# Altium PCB rt10.PcbDoc (part 2 of 3) (continued)
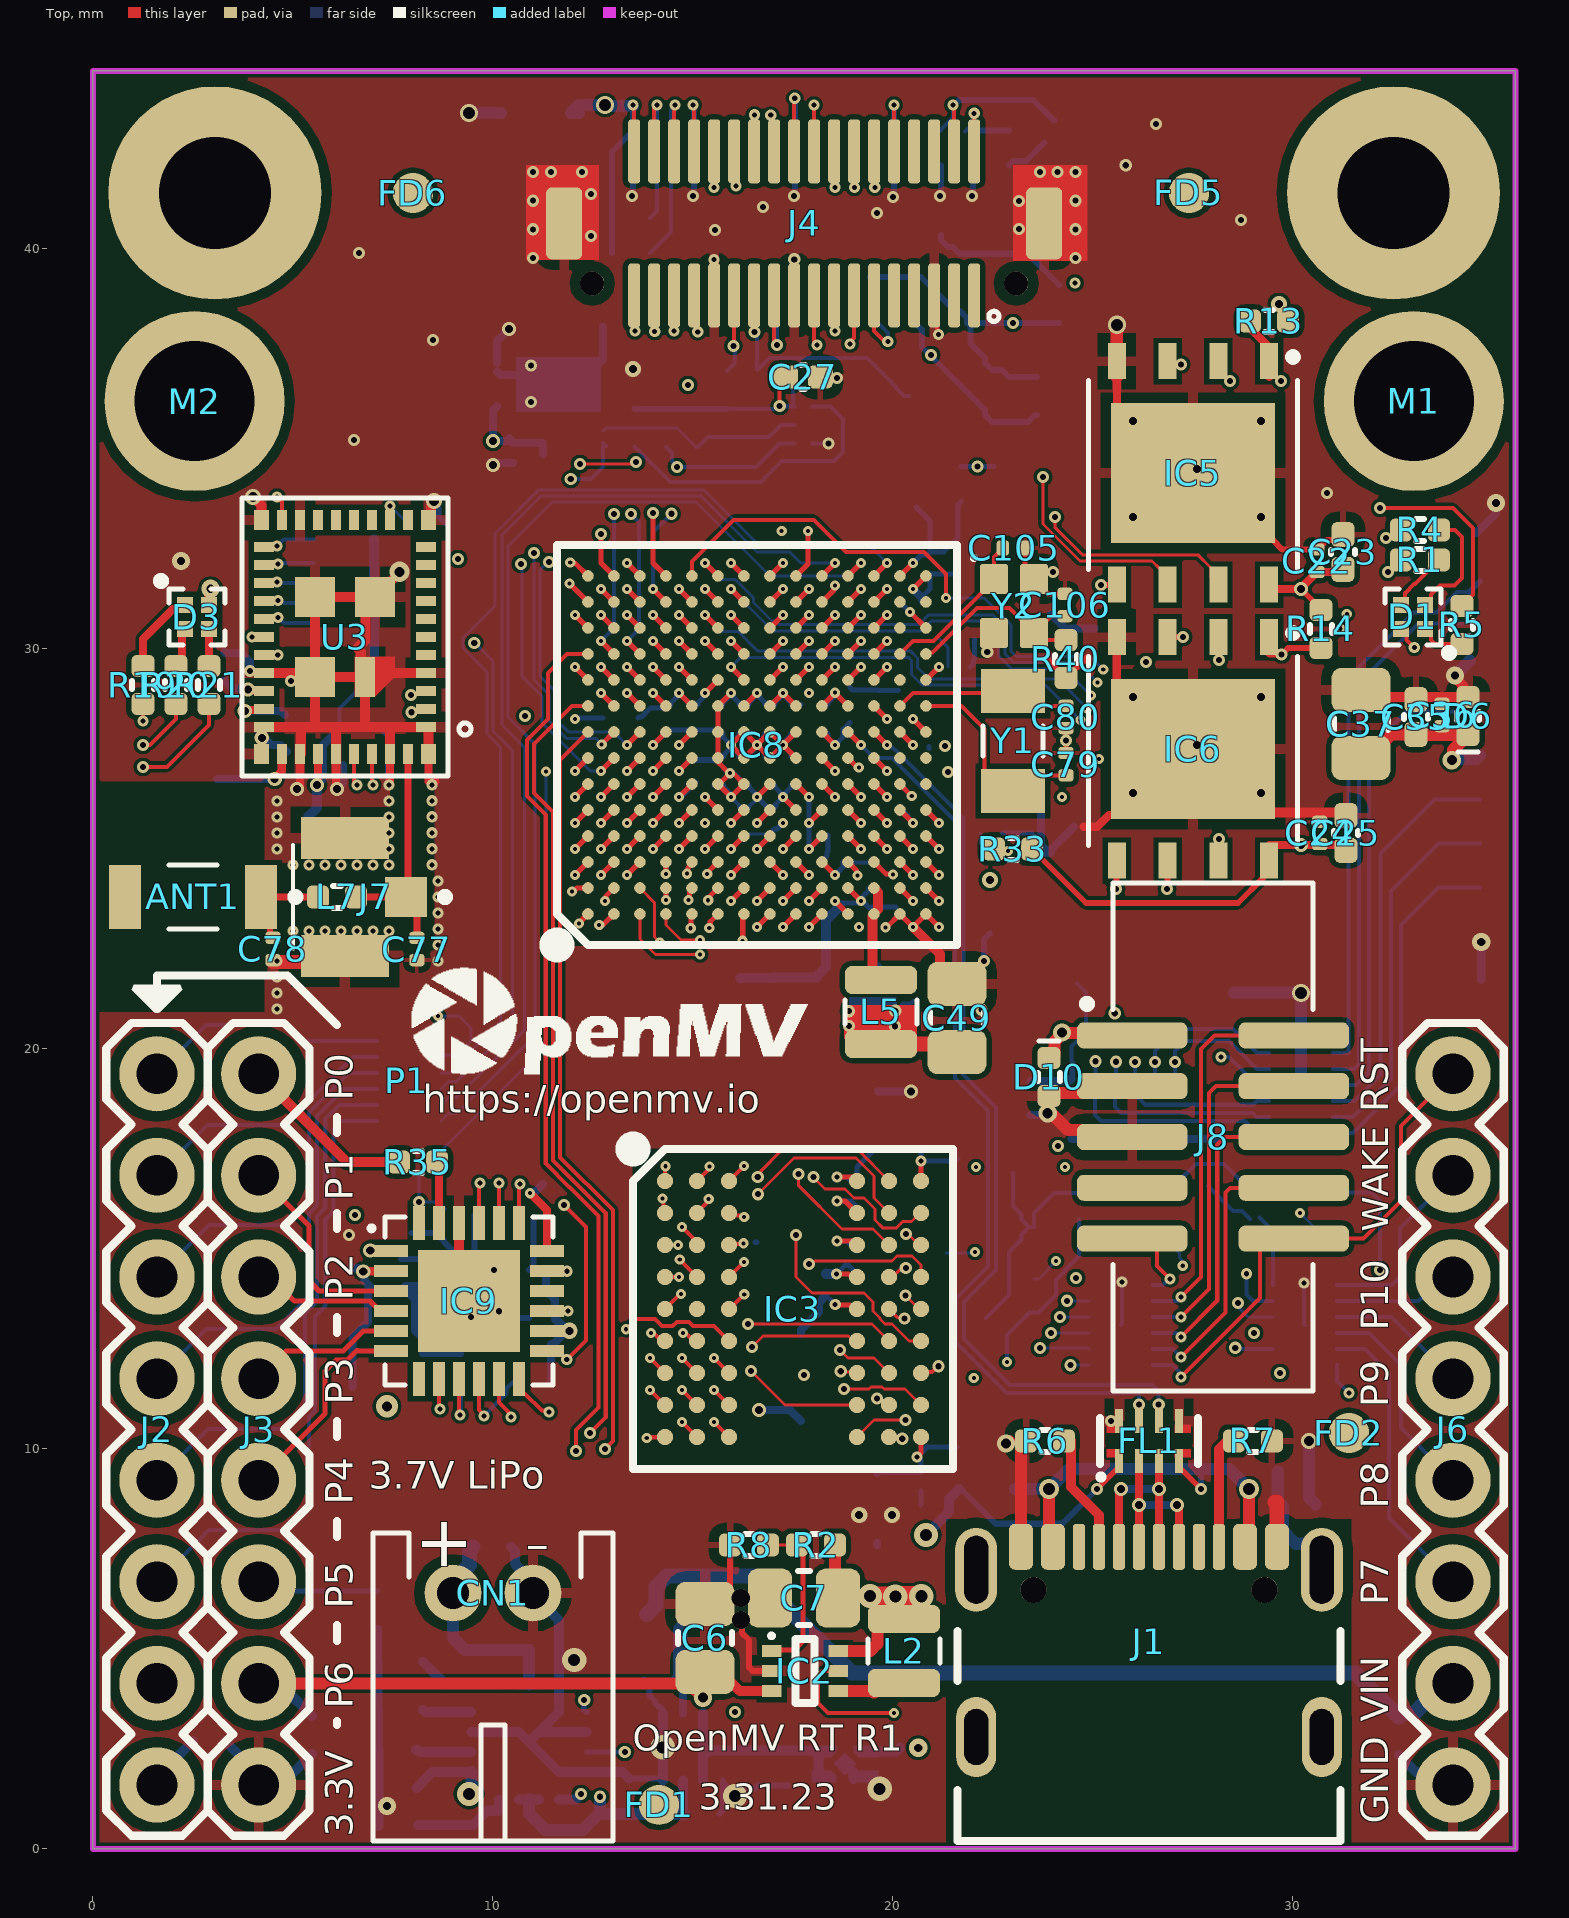
[diagram p0: Top view]
## Nets (pads, with @x,y where several pads share a name; then routed paths per layer and width w, separated by ;. In a path a pad name is that pad's centre, name@x,y a point inside that pad or via, vN(x,y) a via of type N, cw(c..) or ccw(c..) an arc to the next point about the centre after c; other vN are vias at no path point) (continued)
  Bottom w0.152: C84.2@7.704,14.75 C96.2@9.2,14.75 ; C83.1@7.96,15.4 8.584,15.4 8.773,15.21 8.773,15.176 9.165,14.784 9.2,14.784 C96.2@9.2,14.475 ; C85.2@8.225,12.825 8.225,12.375 R38.2@9.2,12.375 ; v10(8.525,33.7) 8.525,33.631 8.641,33.516 8.641,33.309 R37.2@8.8,33.15 ; C96.2@9.539,14.963 9.539,15.854 C65.1@9.685,16 ; C90.1@10.376,12.734 10.376,13.275 C89.2@10.896,13.275 ; C10.1@13.4,1.76 14.202,1.76 IC1.4@14.25,1.712 ; v2(13.475,41.325) 13.5,41.35 C44.1@13.5,42.09 ; C5.1@13.74,4.2 C5.1@13.775,4.235 ; C5.1@13.87,4.153 13.913,4.111 13.913,3.837 14.05,3.7 14.05,3.639 14.139,3.549 14.176,3.549 14.25,3.475 IC1.5@14.25,3.388 ; v2(15,41.325) 15.025,41.35 C42.1@15.025,42.09 ; C53.2@15.075,27.229 C97.1@15.65,27.229 ; C3.1@15.66,0.875 15.75,0.965 IC1.1@15.75,1.664 ; IC1.1@15.75,1.712 IC1.1@15.75,1.664 ; C4.1@17.375,1.59 C1.1@16.625,1.59 16.554,1.519 15.895,1.519 IC1.1@15.75,1.664 ; v2@17.502,39.712 v2(17.531,39.742) ; v2(17.525,41.325) 17.55,41.35 C40.1@17.55,42.09 ; v2(20,41.3) 20.025,41.325 C39.1@20.025,42.065 ; v2(21.175,41.325) 21.2,41.35 C52.1@21.2,42.09 ; v2(21.975,41.325) 22,41.35 C33.1@22,42.09 ; v2(22.275,22.2) 22.275,22.74 C95.1@22.425,22.89
  Bottom w0.203: C92.1@3.292,29.918 3.308,29.902 3.58,29.902 3.582,29.9 3.7,29.9 3.918,29.682 3.918,29.45 v2(3.922,29.446) ; C74.2@4.15,27.921 4.192,27.878 4.192,27.809 v4(4.221,27.779) ; C74.2@4.239,27.832 4.47,27.601 4.689,27.601 C91.1@4.85,27.44 ; v4(6.1,26.5) 6.25,26.65 C76.2@6.25,27.1 ; R9.2@7.11,4.66 R9.2@7.125,4.675 D8.2@7.125,5.5 ; C93.1@7.25,28 7.4,27.85 v3(7.4,26.6) ; v4(10,34.6) 10.05,34.65 C20.2@10.5,34.65 ; C21.1@10.1,36.935 10.185,36.85 11.85,36.85 IC4.9@12,36.7 ; C21.1@10.1,37.15 10.1,37.7 v4(10.4,38) ; IC4.9@12,36.6 IC4.9@12,36.7 ; IC4.4@12.75,38.05 12.75,37.25 12.2,36.7 IC4.9@12,36.7 ; v4(16.65,10.975) 17.425,10.975 C14.2@17.7,10.7 ; C29.2@19.6,7.6 C29.2@19.6,7.65 ; C18.1@19.625,18.95 19.637,18.938 v4(20.449,18.938) ; v1(20.5,31.5) 20.729,31.272 20.729,31.226 C50.2@20.779,31.175 ; D9.2@23.425,18.35 23.43,18.345 23.817,18.345 v8(23.866,18.394) ; 23.7,26.4 23.7,25.157 23.7,24.907 J5.SH@23.95,24.907 23.95,24.981 J5.SH@24.523,25.554 ; J5.SH@23.95,30.877 24.316,30.511 25.028,30.511 25.031,30.509 ; J5.SH@34.575,32.902 34.592,32.902 35.075,33.385 v6(35.075,33.65) ; J5.SH@34.7,21.732 34.706,21.738 v6(34.706,22.676)
  Bottom w0.254: D4.2@3.3,2.7 4.14,1.86 J3.1@4.14,1.6 ; J3.1@4.58,1.6 J3.1@4.14,1.6 ; D5.2@5.475,2.375 5.467,2.375 5.312,2.22 5.312,2.212 5.011,1.911 4.451,1.911 J3.1@4.14,1.6 ; R12.2@7.11,3.49 R9.2@7.11,4.66 ; R11.2@7.129,2.479 R12.2@7.129,3.471 ; R10.2@7.142,0.575 R11.2@7.142,2.458 ; C85.2@8.225,12.825 8.081,12.969 8.081,13.738 7.983,13.836 7.983,13.889 7.822,14.05 C81.1@7.81,14.05 8.955,14.05 C96.2@8.962,14.058 ; U2.15@9.465,2.925 10.65,2.925 U2.17@10.9,2.675 ; D2.2@10.45,7.55 10.547,7.453 10.547,7.133 11,6.68 CN1.2@11,6.4 11,6.366 11.65,5.716 U2.4@11.65,4.11 11.65,3.425 U2.17@11.15,2.925 ; U2.6@12.335,2.925 U2.17@11.15,2.925 ; C10.1@13.4,1.76 13.4,1.764 13.239,1.925 U2.8@12.335,1.925 11.65,1.925 U2.17@10.9,2.675 ; IC1.4@14.25,1.712 IC1.5@14.25,3.388 ; C11.1@18.325,14.379 v3(18.589,14.378) ; U1.EP@18.8,2.125 19.016,1.909 19.016,1.749 ; D7.2@32.65,2.35 32.658,2.35 32.813,2.195 32.813,2.187 33.089,1.911 33.689,1.911 J6.1@34,1.6 ; U2.17@10.9,2.675 U2.17@11.15,2.925 ; U2.17@10.9,2.675 U2.17@11.15,2.925
  Bottom w0.305: v9(9.4,43.4) C32.2@10.2,43.4 ; J5.CD$2@28.525,21.407 J5.CD$2@28.625,21.407 30.2,21.407 v9(30.2,21.4) FL3.13@30.2,18.9 ; v10(30.4,10.2) 30.4,8.781 C110.2@30.564,8.617 ; v6(34.049,29.336) J5.P$6@34.417,29.704
  other v1: 19.15,23.05 15.3,25.65 17.9,28.9
  other v2: 17.775,11.85 9.45,13.3 10.154,13.442 10.025,14.475 6.4,15.35 22.215,20.983 21.3,27.575 4.95,29.2 22.357,29.927 23.997,31.926 30.85,33.9 6.525,35.225 10.95,36.175 10.947,37.084 8.5,37.725 11,39.775 24.56,39.775 6.65,39.9 12.45,40.325 11,40.492 15.55,40.475 23.15,40.5 24.56,40.492 28.7,40.725 19.6,40.9 16.75,41.05 11,41.208 23.15,41.2 24.56,41.208 12.45,41.375 11,41.925 11.45,41.925 12.225,41.925 23.675,41.925 24.11,41.925 24.56,41.925 25.818,42.093 26.575,43.125
  other v3: 4.6,21 4.6,21.4 4.6,21.8 4.6,22.2 8.625,22.2 8.625,22.6 5,22.95 5.4,22.95 5.8,22.95 6.2,22.95 6.6,22.95 7,22.95 7.4,22.95 8.625,23 8.625,23.4 8.625,23.8 8.625,24.2 5,24.6 5.4,24.6 5.8,24.6 6.2,24.6 6.6,24.6 7,24.6 7.4,24.6 8.475,24.604 4.6,25 7.4,25 8.475,25.004 4.6,25.4 7.4,25.4 8.475,25.404 4.6,25.8 7.4,25.8 8.475,25.804 4.6,26.2 7.4,26.2 8.475,26.204
  other v4: 29.2,26.4 27.6,27.6 26,28.8 29.2,28.8 26,33.3 29.2,33.3 27.6,34.5 26,35.7 29.2,35.7
  other v5: 16.05,1.325 19.666,1.502 14.239,2.539 12.028,4.724
  other v6: 7.35,1.075 2.2,32.2
  other v7: 19.155,8.35 19.975,8.35 13.5,37
  other v11: 16.196,6.272
ILIM: R10.1 U2.12 | length 2.5
  Bottom w0.254: R10.1@8.125,0.6 9.51,0.6 9.864,0.954 10.147,0.954 10.15,0.957 U2.12@10.15,1.24
INT_I2C_INT: IC7.4 IC8.D11 R17.1 | length 9
  Top w0.127: v1(14,30.2) IC8.D11@14.325,29.875
  L4 w0.076: v1(14,30.2) 14.35,30.55 14.35,32.525 14.775,32.95 14.775,34.375 v2(14.6,34.55)
  Bottom w0.102: R17.1@14.325,35.05 14.471,34.904 14.471,34.701 14.622,34.55 16.575,34.55 17.165,35.14 IC7.4@17.535,35.14
INT_I2C_SCL: IC4.6 IC7.1 IC8.C8 R15.1 | length 18.6
  Top w0.076: v2(12.175,34.625) 13.463,34.625 13.513,34.675 v2(13.575,34.675)
  Top w0.127: v1(13.35,27.6) IC8.C8@13.675,27.925
  L4 w0.076: v2(11.4,32.175) 11.4,34.156 11.869,34.625 v2(12.175,34.625)
  Bottom w0.076: v2@11.35,32.15 11.177,31.977 11.177,29.316 11.552,28.942 11.552,28.264 11.896,27.919 13.031,27.919 v1(13.35,27.6)
  Bottom w0.102: R15.1@13.54,35.065 14.432,34.173 16.698,34.173 17.225,34.7 18.525,34.7 18.75,34.925 18.75,35.75 18.44,36.06 IC7.1@17.975,36.06
INT_I2C_SDA: IC4.5 IC7.5 IC8.B8 R16.1 | length 17.7
  Top w0.127: v1(12.718,27.609) 12.718,27.618 IC8.B8@13.025,27.925
  L4 w0.076: v2(11.025,32.4) 11.025,34.05 11.9,34.925 12.275,34.925 12.442,34.758 12.442,34.392 12.371,34.321 12.357,34.321 12.248,34.211 11.98,34.211 v2(11.945,34.246)
  Bottom w0.076: v2(11.025,32.4) 11.025,29.23 11.399,28.856 11.399,28.201 11.833,27.767 12.577,27.767 12.718,27.626 v1(12.718,27.609) ; IC4.5@12.756,35.455 12.825,35.525 14.6,35.525 R16.1@15.075,35.05
  Bottom w0.102: v2(11.945,34.246) 12.447,34.246 12.75,34.55 IC4.5@12.75,35.15 IC4.5@12.826,35.074 ; R16.1@15.075,35.05 15.124,35.05 15.374,35.3 16.9,35.3 17.2,35.6 IC7.5@17.535,35.6
ISET: R12.1 U2.16 | length 1.2
  Bottom w0.254: R12.1@8.25,3.475 8.3,3.425 U2.16@9.465,3.425
JTAG_TCK: FL5.4 IC8.F12 | length 28.4
  Top w0.127: v1(15.3,30.85) IC8.F12@15.625,30.525
  L4 w0.076: v2(24.175,13.3) 23.247,14.228 23.247,20.874 23.797,21.424 23.797,28.024 24.288,28.514 v1(24.856,28.514)
  Bottom w0.076: v1(15.3,30.85) 15.709,30.441 16.125,30.441 16.622,29.944 20.446,29.944 20.615,29.776 20.615,29.537 20.9,29.252 24.118,29.252 v1(24.856,28.514) ; v2(24.175,13.3) FL5.4@24.9,13.3
JTAG_TCK_INT: FL5.9 J8.4 | length 8.8
  Top w0.102: v3(27.2,13.3) 27.903,14.003 27.903,18 27.903,18.903 28.07,19.07 J8.4@30.02,19.07
  Bottom w0.102: FL5.9@26.5,13.3 v3(27.2,13.3)
JTAG_TDI: FL5.2 IC8.F14 | length 31.7
  Top w0.127: v1(15.3,32.15) IC8.F14@15.625,31.825
  L4 w0.076: v2(23.675,12.525) 22.892,13.308 22.892,21.021 23.442,21.571 23.442,28.171 24.434,29.163 v1(25.116,29.163)
  Bottom w0.076: v1(15.3,32.15) 15.709,31.741 16.05,31.741 16.512,31.279 16.512,31.163 16.975,30.7 17.059,30.7 17.15,30.609 20.65,30.609 20.895,30.853 22.487,30.853 22.8,30.54 22.8,29.881 23.024,29.657 24.621,29.657 v1(25.116,29.163) ; v2(23.675,12.525) 24.875,12.525 FL5.2@24.9,12.5
JTAG_TDI_INT: FL5.11 J8.8 | length 7.1
  Top w0.102: v3(27.2,12.3) 28.31,13.41 28.31,16.41 28.43,16.53 J8.8@30.02,16.53
  Bottom w0.102: FL5.11@26.5,12.5 27,12.5 v3(27.2,12.3)
JTAG_TDO: FL5.3 IC8.G13 | length 29.5
  Top w0.127: v1(15.95,31.5) IC8.G13@16.275,31.175
  L4 w0.076: v2(23.95,12.9) 23.069,13.781 23.069,20.947 23.619,21.497 23.619,28.097 24.357,28.835 v1(24.951,28.835)
  Bottom w0.076: v1(15.95,31.5) 17.001,30.449 20.705,30.449 20.958,30.701 22.424,30.701 22.641,30.484 22.641,29.824 22.961,29.505 24.281,29.505 v1(24.951,28.835) ; v2(23.95,12.9) FL5.3@24.9,12.9
JTAG_TDO_INT: FL5.10 J8.6 | length 7.9
  Top w0.102: v3(27.2,12.8) 28.106,13.706 28.106,17.607 28.3,17.8 J8.6@30.02,17.8
  Bottom w0.102: FL5.10@26.5,12.9 27.1,12.9 v3(27.2,12.8)
JTAG_TMS: FL5.5 IC8.E14 | length 35
  Top w0.102: IC8.E14@14.975,31.825 14.975,32.184 16.016,33.225 18.025,33.225 18.825,32.425 20.775,32.425 21.325,31.875 v1(21.325,31.275)
  L4 w0.076: v2(24.35,13.704) 24.361,13.693 24.361,13.491 24.442,13.41 24.442,12.915 23.785,12.258 23.492,12.258 22.714,13.036 22.714,21.095 23.264,21.645 23.264,28.245 24.504,29.485 v1(25.257,29.485)
  Bottom w0.076: v1(21.325,31.275) 22.281,31.275 22.953,30.604 22.953,29.944 23.087,29.81 24.933,29.81 v1(25.257,29.485) ; v2(24.35,13.704) 24.352,13.702 24.898,13.702 FL5.5@24.9,13.7
JTAG_TMS_INT: FL5.8 J8.2 | length 9.6
  Top w0.102: v3(27.2,13.8) 27.7,14.3 27.7,17.2 27.7,20 28.04,20.34 J8.2@30.02,20.34
  Bottom w0.102: FL5.8@26.5,13.7 27.1,13.7 v3(27.2,13.8)
JTAG_TRSTB: FL5.6 IC8.G10 | length 25.8
  Top w0.127: v1(15.95,29.55) IC8.G10@16.275,29.225
  L4 w0.076: v2(24.575,14.275) 23.8,14.275 23.425,14.65 23.425,20.8 23.975,21.35 23.975,27.95 24.248,28.223 v1(24.689,28.223)
  Bottom w0.076: v1(15.95,29.55) 16.192,29.792 20.383,29.792 20.463,29.712 20.463,29.362 20.725,29.1 23.805,29.1 24.682,28.223 v1(24.689,28.223)
JTAG_TRSTB_INT: FL5.7 J8.9 | length 2.1
  Top w0.102: J8.9@25.98,15.26 26.326,15.26 26.6,14.986 26.6,14.58 v3(26.926,14.253)
  Bottom w0.102: FL5.7@26.5,14.1 26.75,14.1 26.904,14.253 v3(26.926,14.253)
LED_B: IC8.C14 R19.1 | length 19.8
  Top w0.102: v3(1.25,28.2) R19.1@1.25,28.4
  Top w0.127: v1(13.35,32.15) IC8.C14@13.675,31.825
  L6 w0.076: v3(1.25,28.2) 1.211,28.239 1.211,28.335 1.2,28.346 1.2,32.85 1.787,33.437 4.837,33.437 5.305,33.905 7.52,33.905 8.688,32.737 8.688,32.112 9.044,31.756 9.881,31.756 10.825,32.7 11.8,32.7 12.35,32.15 v1(13.35,32.15)
LED_B_INT: D3.1 R19.2 | length 2.1
  Top w0.203: R19.2@1.25,29.575 1.25,30.25 2.002,31.002 2.202,31.002 D3.1@2.3,31.1
LED_CHG: D1.3 R1.2 | length 1.5
  Top w0.102: D1.3@32.7,31.1 32.797,31.197 32.797,31.393 33.024,31.62 33.045,31.62 R1.2@33.65,32.225
LED_G: IC8.A10 R20.1 | length 15.4
  Top w0.102: v2(1.25,27.6) 1.425,27.6 2.075,28.25 R20.1@2.075,28.625
  Top w0.127: v1(12.05,29.55) IC8.A10@12.375,29.225
  L6 w0.076: v2(1.25,27.6) 1.9,28.25 1.9,29.875 2.725,30.7 3.95,30.7 4.314,30.336 6.614,30.336 7.4,29.55 v1(12.05,29.55)
LED_G_INT: D3.2 R20.2 | length 1
  Top w0.203: R20.2@2.227,29.577 2.227,30.428 D3.2@2.3,30.5
LED_PGOOD: D1.2 R4.2 | length 2.9
  Top w0.102: D1.2@33.3,31.1 33.449,31.249 33.449,31.358 33.681,31.59 34.04,31.59 34.225,31.775 34.225,32.8 34.05,32.975 R4.2@33.65,32.975
LED_R: IC8.D9 R21.1 | length 16.6
  Top w0.102: v2(1.25,27.05) 1.85,27.05 2.9,28.1 R21.1@2.9,28.625
  Top w0.127: v1(14,28.9) IC8.D9@14.325,28.575
  L6 w0.076: v2(1.25,27.05) 4.175,27.05 4.745,27.62 11.036,27.62 11.419,28.002 13.103,28.002 v1(14,28.9)
LED_R_INT: D3.3 R21.2 | length 0.9
  Top w0.203: R21.2@2.9,29.575 D3.3@2.9,30.5
LED_ST: D1.1 R5.2 | length 1.2
  Top w0.102: D1.1@33.3,30.5 33.449,30.351 33.449,30.222 33.547,30.125 R5.2@34.225,30.125
MDI_LED: J3.8 R35.2 | length 4.4
  Top w0.254: J3.8@4.14,19.38 6.345,17.175 R35.2@7.65,17.175
MDI_RX_N: IC9.3 J3.7 | length 5.3
  Top w0.127: J3.7@4.14,16.84 5.4,15.58 5.4,14.2 5.65,13.95 IC9.3@7.45,13.95
MDI_RX_P: IC9.4 J3.6 | length 3.7
  Top w0.127: J3.6@4.14,14.3 4.433,14.3 5.033,13.7 6.925,13.7 7.175,13.45 IC9.4@7.45,13.45
MDI_TX_N: IC9.5 J3.5 | length 3.8
  Top w0.127: J3.5@4.14,11.76 4.831,12.451 6.259,12.451 6.758,12.95 IC9.5@7.45,12.95
MDI_TX_P: IC9.6 J3.4 | length 5.3
  Top w0.127: J3.4@4.14,9.22 5.804,10.884 5.804,11.948 6.079,12.222 6.353,12.222 6.596,12.465 6.626,12.465 6.64,12.45 IC9.6@7.45,12.45
NetD7_1: D7.1 J6.2 Q6.D | length 22.6
  Bottom w0.381: Q6.D@13.841,5.862 14.075,6.097 14.075,6.55 14.347,6.822 16.553,6.822 18.975,4.4 31.55,4.4 32.55,3.399 32.55,3.384 32.635,3.3 D7.1@32.65,3.3 32.734,3.384 33.027,3.384 33.783,4.14 J6.2@34,4.14
NVCC_PLL: C104.2 C107.1 IC8.P10 | length 1.2
  Top w0.127: IC8.P10@20.825,29.225 v1(21.15,29.55)
  Bottom w0.076: C104.2@21.165,30.25 21.371,30.044 C107.1@21.371,29.55
ONOFF: IC8.M6 Q3.2 | length 18.5
  Top w0.127: IC8.M6@19.525,26.625 v1(19.85,26.3)
  L4 w0.076: v1(24.075,14.7) 23.6,15.175 23.6,17.55 24.325,18.275 24.325,18.7 23.6,19.425 23.6,20.65 24.224,21.274 v1(24.224,26.3)
  L6 w0.076: v1(19.85,26.3) 20.107,26.3 20.382,26.575 20.649,26.575 20.924,26.3 v1(24.224,26.3)
  Bottom w0.076: Q3.2@23.525,14.25 23.65,14.25 23.862,14.462 23.862,14.487 v1(24.075,14.7)
P0_MOSI: FL2.1 IC8.H10 | length 15.6
  Top w0.127: IC8.H10@16.925,29.225 v1(17.25,29.55)
  L6 w0.076: v1@8.524,20.357 10.77,22.602 10.77,26.995 11.625,27.85 13.291,27.85 14.4,28.959 14.4,29.05 14.6,29.25 16.25,29.25 16.55,29.55 v1(17.25,29.55)
  other v1: 8.524,20.37
P0_MOSI_INT: FL2.12 J2.8 | length 6.2
  Bottom w0.102: J2.8@1.6,19.38 2.82,20.6 4.8,20.6 5.2,20.2 FL2.12@7.1,20.2
P1_MISO: FL2.2 IC8.M11 | length 23.3
  Top w0.127: IC8.M11@19.525,29.875 v1(19.85,30.2)
  L6 w0.076: v1(8.625,20.825) 8.606,20.806 8.456,20.806 8.125,20.475 8.125,20.175 8.229,20.071 8.621,20.071 11.002,22.452 11.002,27.012 11.349,27.359 13.709,27.359 13.759,27.409 13.759,27.709 13.95,27.9 15.425,27.9 16.25,28.725 16.25,28.95 16.525,29.225 18.65,29.225 18.825,29.4 18.825,30.275 19.025,30.475 19.575,30.475 v1(19.85,30.2)
  Bottom w0.076: v1@8.65,20.825 9.15,20.825 9.45,20.525 9.45,20.2 9.105,19.855 8.755,19.855 FL2.2@8.7,19.8
P1_MISO_INT: FL2.11 J2.7 | length 6.7
  Bottom w0.102: J2.7@1.6,16.84 2.86,18.1 4.8,18.1 6.5,19.8 FL2.11@7.1,19.8
P2_SCLK: FL2.3 IC8.M14 | length 26.4
  Top w0.127: IC8.M14@19.525,31.825 v1(19.85,32.15)
  Bottom w0.076: FL2.3@8.7,19.4 8.95,19.4 9.012,19.462 9.012,19.5 10.19,20.678 10.19,27.545 9.846,27.889 9.846,29.429 9.251,30.024 9.251,30.276 10.05,31.075 10.05,32.889 11.14,33.98 15.261,33.98 16.663,32.577 19.422,32.577 v1(19.85,32.15)
P2_SCLK_INT: FL2.10 J2.6 | length 8.9
  Bottom w0.102: J2.6@1.6,14.3 2.85,15.55 2.9,15.6 4.8,15.6 5.4,16.2 5.4,18.413 6.387,19.4 FL2.10@7.1,19.4
P3_NSS: FL2.4 IC8.G11 | length 19.5
  Top w0.127: v1(15.95,30.2) IC8.G11@16.275,29.875
  L6 w0.076: v2(9.532,30.152) 9.739,29.945 15.445,29.945 15.7,30.2 v1(15.95,30.2)
  Bottom w0.076: FL2.4@8.7,19 8.886,19.186 9.097,19.186 10.483,20.571 10.483,27.467 9.998,27.952 9.998,29.701 v2@9.532,30.167
P3_NSS_INT: FL2.9 J2.5 | length 11
  Bottom w0.102: J2.5@1.6,11.76 2.84,13 4.581,13 5.4,13.819 5.4,15.9 5.603,16.103 5.603,18.328 5.637,18.363 6.275,19 FL2.9@7.1,19
P4_SCL: FL2.5 IC8.K14 | length 25.4
  Top w0.127: IC8.K14@18.225,31.825 v1(18.55,32.15)
  Bottom w0.076: FL2.5@8.7,18.6 8.886,18.786 9.097,18.786 10.792,20.481 10.792,27.533 10.226,28.099 10.226,32.85 11.204,33.827 15.198,33.827 16.6,32.425 17.421,32.425 17.696,32.15 v1(18.55,32.15)
P4_SCL_INT: FL2.8 J2.4 | length 13.3
  Bottom w0.102: J2.4@1.6,9.22 2.88,10.5 4.8,10.5 5.3,11 5.3,13.381 5.603,13.685 5.603,15.816 5.806,16.019 5.806,18.244 6.162,18.6 FL2.8@7.1,18.6
P5_SDA: FL2.6 IC8.L14 | length 26.4
  Top w0.127: IC8.L14@18.875,31.825 v1(19.2,32.15)
  Bottom w0.076: FL2.6@8.7,18.2 8.886,18.386 9.097,18.386 11.053,20.341 11.053,27.622 10.379,28.296 10.379,32.575 11.479,33.675 15.075,33.675 16.925,31.825 18.875,31.825 v1(19.2,32.15)
P5_SDA_INT: FL2.7 J2.3 | length 15.4
  Bottom w0.102: J2.3@1.6,6.68 2.9,7.98 4.78,7.98 5.4,8.6 5.4,10.8 5.55,10.95 5.55,13.316 5.806,13.572 5.806,15.732 6.01,15.935 6.01,18 6.21,18.2 FL2.7@7.1,18.2
P6_ADC: FL4.1 IC8.M12 | length 33.4
  Top w0.127: IC8.M12@19.525,30.525 v1(19.85,30.85)
  L4 w0.076: v2(29.675,11.9) 29.675,13.025 28.55,14.15 28.55,14.475 28.75,14.675 29.625,14.675 31.425,16.475 31.425,30.734 31.346,30.813 v1(31.346,30.875)
  L6 w0.076: v1(19.85,30.85) 20.175,30.525 20.8,30.525 21.15,30.875 v1(31.346,30.875)
P6_ADC_INT: FL4.12 J2.2 | length 34.8
  L6 w0.076: J2.2@1.6,4.14 2.86,5.4 4.975,5.4 5.75,6.175 5.75,7.3 7.7,9.25 16.325,9.25 16.95,9.875 20.227,9.875 21.327,10.975 24.775,10.975 25.375,10.375 27.85,10.375 28.875,11.4 v3(31.4,11.4)
  Bottom w0.102: FL4.12@31.1,12.1 31.1,11.7 v3(31.4,11.4)
P7_PWM: FL4.2 IC8.A8 | length 37.4
  Top w0.102: IC8.A8@12.375,27.925 11.675,27.225 11.675,17.29 12.996,15.969 12.996,10.196 v2(12.8,10)
  L6 w0.076: v2(12.8,10) 13.108,9.692 15.715,9.692 16.373,10.35 19.3,10.35 20.294,11.344 25.844,11.344 25.938,11.438 26.847,11.438 26.942,11.344 28.208,11.344 28.557,11.693 v2(28.557,12.529)
  Bottom w0.102: v2(28.557,12.529) 28.586,12.5 FL4.2@29.5,12.5
P7_PWM_INT: FL4.11 J6.3 | length 7.4
  Bottom w0.102: FL4.11@31.1,12.5 31.8,12.5 32.4,11.9 32.4,8.28 J6.3@34,6.68
P8_PWM: FL4.3 IC8.A9 | length 38.6
  Top w0.102: IC8.A9@12.375,28.575 11.975,28.575 11.025,27.625 11.025,26.4 11.497,25.928 11.497,17.217 12.818,15.896 12.818,10.793 v2(12.425,10.4)
  L6 w0.076: v2(12.425,10.4) 12.85,10.4 13.406,9.844 15.652,9.844 16.31,10.502 19.237,10.502 20.246,11.511 25.796,11.511 25.875,11.59 26.911,11.59 27.002,11.499 27.949,11.499 28.25,11.8 28.25,12.75 28.4,12.9 v2(29.025,12.9)
P8_PWM_INT: FL4.10 J6.4 | length 5.3
  Bottom w0.102: FL4.10@31.1,12.9 31.9,12.9 32.7,12.1 32.7,10.52 J6.4@34,9.22
P9_PWM: FL4.4 IC8.A11 | length 43.5
  Top w0.102: v2(12.075,9.95) 12.075,10.475 12.64,11.04 12.64,15.822 11.911,16.552 11.9,16.552 11.319,17.132 11.319,25.854 10.847,26.326 10.847,27.722 11.375,28.25 11.375,29.4 11.85,29.875 IC8.A11@12.375,29.875
  L6 w0.076: v2(12.075,9.95) 12.501,9.524 15.762,9.524 16.436,10.198 19.363,10.198 20.357,11.191 25.534,11.191 25.975,10.75 27.83,10.75 29.35,12.27 29.35,13.025 28.772,13.603 28.669,13.603 v2(28.625,13.647)
  Bottom w0.076: v2@28.669,13.506 28.875,13.3 FL4.4@29.5,13.3
P9_PWM_INT: FL4.9 J6.5 | length 3.5
  Bottom w0.102: FL4.9@31.1,13.3 32.46,13.3 J6.5@34,11.76
P10_PWM: FL4.5 Q4.3 R26.1 | length 37.9
  L4 w0.102: v3(24.55,39.15) 25.4,40 28.9,40 30.4,38.5 30.4,33 31.675,31.725 31.675,16.475 29.581,14.382 v3(28.841,14.382)
  Bottom w0.102: v3(28.841,14.382) 28.841,13.858 28.999,13.7 FL4.5@29.5,13.7
  Bottom w0.152: Q4.3@21.2,40.35 21.2,40.225 21.374,40.051 21.499,40.051 21.668,39.882 23.368,39.882 R26.1@24.15,39.1
P10_PWM_INT: FL4.8 J6.6 | length 3.1
  Bottom w0.102: FL4.8@31.1,13.7 33.139,13.7 33.739,14.3 J6.6@34,14.3
P11_WAKEUP: FL4.6 Q2.3 R22.1 | length 3.2
  Bottom w0.102: R22.1@27.875,16.575 28.501,15.949 28.726,15.949 Q2.3@28.925,15.75 ; Q2.3@29.169,15.781 29.5,15.45 FL4.6@29.5,14.1
P11_WAKEUP_INT: FL4.7 J6.7 | length 4.7
  Bottom w0.102: FL4.7@31.1,14.1 32.475,14.1 32.675,14.3 32.675,15.515 J6.7@34,16.84
P12_RST_N: C63.1 FL5.1 IC8.M7 R33.2 | length 22.7
  Top w0.127: IC8.M7@19.525,27.275 v1(19.85,26.95)
  L4 w0.076: v1(22.875,24.95) 23,24.825 23,21.675 22.525,21.2 22.525,12.938 23.368,12.095 v2(24.438,12.095)
  L6 w0.076: v1(19.85,26.95) 19.475,26.575 19.1,26.575 18.925,26.4 18.925,25.55 19.225,25.25 22.575,25.25 v1(22.875,24.95)
  Bottom w0.076: C63.1@22.175,25.4 22.185,25.39 22.185,25.14 22.375,24.95 v1(22.875,24.95) ; v2(24.438,12.095) 24.441,12.098 24.897,12.098 FL5.1@24.9,12.1
P12_RST_N_EXT: FL5.12 J6.8 J8.10 | length 12.6
  Top w0.102: v3(27.2,11.8) 29.175,13.775 29.175,14.994 29.441,15.26 31.76,15.26 32.7,16.2 32.7,18.08 J6.8@34,19.38
  Bottom w0.102: FL5.12@26.5,12.1 26.987,12.1 27.2,11.887 v3(27.2,11.8)
P_FLASH_CE: IC5.1 IC8.L3 R13.2 | length 23.1
  Top w0.127: IC8.L3@18.875,24.675 19.087,24.463 19.087,24.365 v1(19.112,24.34)
  Top w0.203: R13.2@28.75,38.2 29.405,37.545 IC5.1@29.405,37.194 IC5.1@29.405,36.8
  L4 w0.076: v1(19.112,24.34) 19.127,24.34 19.461,24.675 20.575,24.675 20.85,24.95 20.85,25.125 21.05,25.325 22.059,25.325 22.798,26.063 22.798,31.788 24.041,33.031 24.158,33.031 24.314,33.187 24.314,36.289 24.458,36.433 28.535,36.433 28.802,36.7 v2(29.7,36.7)
P_FLASH_IO0: IC5.5 IC8.P3 | length 11.8
  Top w0.127: IC8.P3@20.825,24.675 v1(21.15,24.35)
  Top w0.152: v2(25.2,31.6) 25.589,31.6 IC5.5@25.595,31.606
  L4 w0.076: v1(21.15,24.35) 21.575,24.35 23.102,25.877 23.102,31.662 23.641,32.2 24.6,32.2 v2(25.2,31.6)
P_FLASH_IO1: IC5.2 IC8.N4 | length 17.9
  Top w0.127: IC8.N4@20.175,25.325 v1(20.5,25)
  L4 w0.076: v1(20.5,25) 20.825,25.325 20.825,25.675 22.075,26.925 22.075,32.05 24.125,34.1 24.125,36.55 24.275,36.7 v2(28.425,36.7)
P_FLASH_IO2: IC5.3 IC8.P4 | length 22.3
  Top w0.127: IC8.P4@20.825,25.325 v1(21.15,25)
  L4 w0.076: v1(21.15,25) 21.95,25 22.95,26 22.95,31.725 24.104,32.879 24.221,32.879 24.466,33.124 24.466,35.966 24.781,36.281 29.706,36.281 29.993,36.568 29.993,36.784 29.81,36.967 27.362,36.967 27.214,37.115 v2(27.203,37.115)
P_FLASH_IO3: IC5.7 IC8.P5 | length 15.2
  Top w0.076: v2(24.047,33.298) 24.047,33.043 24.738,32.352 27.623,32.352 27.948,32.027 27.948,31.793 IC5.7@28.135,31.606
  Top w0.127: IC8.P5@20.825,25.975 v1(21.15,25.65)
  L4 w0.076: v1(21.15,25.65) 22.169,25.65 22.645,26.126 22.645,32.247 23.696,33.298 v2(24.047,33.298)
P_FLASH_SCK: IC5.6 IC8.L4 | length 17.3
  Top w0.076: v2(23.75,34.3) 23.75,33.125 24.675,32.2 26.475,32.2 26.657,32.018 26.678,32.018 26.865,31.831 IC5.6@26.865,31.606
  Top w0.127: IC8.L4@18.875,25.325 v1(19.2,25)
  L4 w0.076: v1(19.2,25) 19.475,25.275 19.95,25.275 20.2,25.525 20.2,25.75 20.425,25.975 20.909,25.975 21.923,26.988 21.923,32.473 v2(23.75,34.3)
PGOOD: R4.1 U2.7 | length 53.4
  L4 w0.076: v2(13.296,2.426) 13.747,1.975 17.05,1.975 18.15,0.875 31.403,0.875 32.285,1.757 32.285,13.84 32.631,14.186 32.631,29.006 33.45,29.825 33.45,30.375 32.075,31.75 32.075,32.525 v2(32.325,32.775)
  Bottom w0.127: U2.7@12.335,2.425 U2.7@12.65,2.425 ; U2.7@12.335,2.425 v2(13.296,2.426)
PMIC_ON_REQ: IC8.K7 Q1.2 | length 27.8
  Top w0.127: IC8.K7@18.225,27.275 v1(18.55,26.95)
  L4 w0.076: v1(25.15,27.25) 25.15,28.692 25.192,28.735 25.192,28.742 25.75,29.3 25.75,29.875 25.95,30.075 26.575,30.075 26.85,29.8 26.85,25.2 27.45,24.6 27.45,19.35 27.245,19.145 v1(27.245,14.581)
  L6 w0.076: v1(18.55,26.95) 18.75,26.75 19.225,26.75 19.725,27.25 v1(25.15,27.25)
  Bottom w0.076: Q1.2@26.85,15.1 26.955,15.1 27.167,14.888 27.167,14.783 27.212,14.738 27.212,14.614 v1(27.245,14.581)
PMIC_ONOFF: D8.1 J3.3 Q3.3 R23.1 | length 32.6
  L4 w0.076: v1(22.021,11.774) 22.054,11.808 v1(22.054,14.928) 22.075,14.948 v1(22.075,17.05)
  L6 w0.076: J3.3@4.14,6.68 5.75,8.29 5.75,8.975 6.9,10.125 11.725,10.125 12.3,10.7 12.766,10.7 13.469,9.996 15.588,9.996 16.247,10.655 19.055,10.655 19.275,10.875 19.275,11.325 19.614,11.664 21.364,11.664 21.507,11.807 21.987,11.807 v1(22.021,11.774) ; v1(22.075,17.05) v1(24.3,17.05)
  Bottom w0.076: Q3.3@21.325,14.9 22.027,14.9 v1(22.054,14.928)
  Bottom w0.127: J3.3@4.14,6.68 4.37,6.45 D8.1@7.125,6.45
PWM_FSIN: IC8.B7 Q4.2 Q5.2 R25.1 | length 24.6
  Top w0.127: v1(12.7,26.95) IC8.B7@13.025,27.275
  L4 w0.076: v2(10.7,32.125) 10.7,33.975 13.325,36.6 v2(14.875,36.6)
  L6 w0.076: v2(14.875,36.6) 17.15,36.6 17.875,37.325 20.925,37.325 v2(20.95,37.35)
  Bottom w0.076: v2@10.731,32.13 10.731,29.309 11.225,28.815 11.225,28.159 12.435,26.95 v1(12.7,26.95)
  Bottom w0.152: Q4.2@20.55,38.15 20.724,37.976 20.724,37.763 20.725,37.762 20.725,37.55 22.301,35.974 22.301,35.849 22.475,35.675 Q5.2@22.6,35.675 23.375,35.675 23.55,35.85 R25.1@23.6,35.85
RAW: C1.2 C4.2 C6.1 D1.4 D5.1 IC1.2 IC1.7 IC2.3 J3.2 Q1.1 Q2.1 Q3.1 R3.2 R22.2 R23.2 U1.3 U1.4 | length 83.5
  Top w0.102: D1.4@32.7,30.5 32.843,30.357 32.843,30.23 v3(33.033,30.04)
  Top w0.254: C6.1@15.45,4.425 15.696,4.425 16.172,3.95 IC2.3@16.966,3.95
  Top w0.305: J3.2@4.14,4.14 14.892,4.14 v8(15.248,3.784)
  L4 w0.203: v8(15.248,3.784) 15.317,3.784 15.484,3.95 18,3.95 20.575,1.375 31.175,1.375 31.775,1.975 31.775,14.075 v2(32.175,14.475) ; v2@32.163,14.475 32.163,29.169 v3(33.033,30.04)
  Bottom w0.102: R3.2@22.325,13.275 22.901,13.851 22.901,14.926 23.206,15.231 23.206,15.351 Q3.1@23.406,15.55 ; R23.2@23,16.9 23,16.075 23.206,15.869 23.206,15.749 Q3.1@23.406,15.55 ; Q2.1@30.92,16.417 31.958,16.417 32.175,16.2 v2(32.175,14.475) ; Q2.1@31.125,16.4 29,16.4 R22.2@28.825,16.575 28.275,17.125 27.575,17.125 27.169,16.719 27.169,16.599 26.97,16.4 Q1.1@26.85,16.4 24.025,16.4 23.525,15.9 Q3.1@23.525,15.55 Q3.1@23.406,15.55
  Bottom w0.254: J3.2@4.14,4.14 4.451,3.829 4.971,3.829 5.312,3.488 5.312,3.48 5.467,3.325 D5.1@5.475,3.325 ; IC1.2@15.25,1.712 15.25,2.311 ; IC1.7@15.25,3.388 15.25,2.311 ; U1.3@18.279,1.813 18.135,1.957 18.135,2.293 U1.4@18.279,2.437 18.257,2.46 C4.2@17.375,2.46 C1.2@16.625,2.46 15.399,2.46 15.25,2.311
REXT: IC9.9 R38.1 | length 1.5
  Top w0.102: IC9.9@9.15,11.75 9.15,10.85 v3@9.175,10.825
  Bottom w0.102: v3(9.175,10.85) 9.2,10.875 R38.1@9.2,11.425
RTC_XTALI: C80.1 IC8.N9 Y1.2 | length 4.5
  Top w0.102: IC8.N9@20.175,28.575 20.5,28.9 22.95,28.9 Y1.2@23,28.95 23.37,28.579 C80.1@24.325,28.579
RTC_XTALO: C79.1 IC8.P9 Y1.1 | length 4.7
  Top w0.102: IC8.P9@20.825,28.575 21.716,28.575 22.287,28.004 Y1.1@22.287,26.533 ; Y1.1@23,26.45 23.391,26.841 C79.1@24.325,26.841
S_FLASH_CE: IC6.1 IC8.N3 R14.2 | length 18.1
  Top w0.127: IC8.N3@20.175,24.675 v1(20.5,24.35)
  Top w0.152: v2(29.715,29.864) 29.719,29.864 29.881,30.025 R14.2@30.7,30.025
  Top w0.203: IC6.1@29.405,29.9 29.418,29.887 v2@29.669,29.887
  L6 w0.076: v1(20.5,24.35) 20.532,24.318 20.532,24.193 20.623,24.102 21.35,24.102 21.35,24.09 21.613,23.827 24.927,23.827 25.375,24.275 27.125,24.275 27.825,23.575 29.5,23.575 29.9,23.975 29.9,29.679 v2(29.715,29.864)
S_FLASH_IO0: IC6.5 IC8.M4 | length 8.5
  Top w0.127: IC8.M4@19.525,25.325 v1(19.85,25)
  Top w0.152: v2(25.575,24) 25.585,24.01 25.585,24.696 IC6.5@25.595,24.706
  L6 w0.076: v1(19.85,25) 19.525,24.675 19.525,24.225 19.8,23.95 21.275,23.95 21.55,23.675 25.25,23.675 v2(25.575,24)
S_FLASH_IO1: IC6.2 IC8.M3 | length 16.6
  Top w0.127: IC8.M3@19.525,24.675 19.821,24.379 19.982,24.379 v1(19.999,24.361)
  L6 w0.076: v1(19.999,24.361) 20.024,24.387 20.024,24.525 20.1,24.6 29.225,24.6 29.65,25.025 29.65,29.325 29.248,29.727 v2(28.152,29.727)